# Altium PCB link_b.PcbDoc
Units mil, origin at the board's own origin, x right, y up, seen from the top; angles counter-clockwise.
Board outline 2400 x 1350 mil, 2 copper layers (Top Layer, Bottom Layer); 84 components, 62 nets, 340 pads, 134 vias.
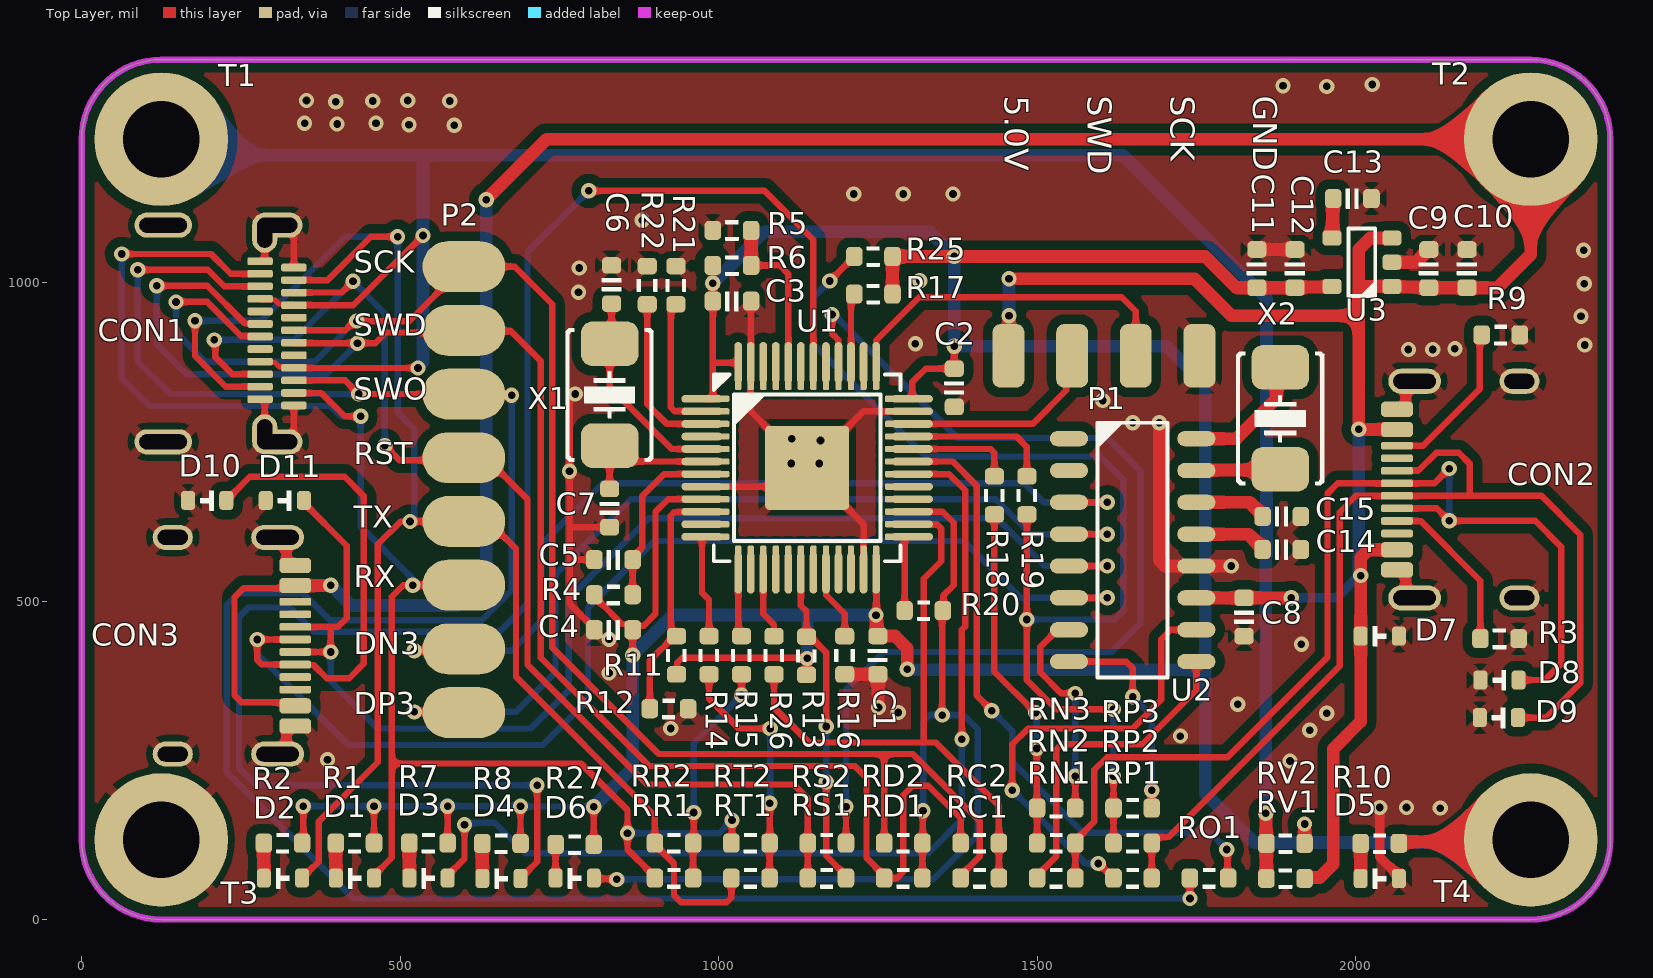
[diagram p0: Top Layer view]
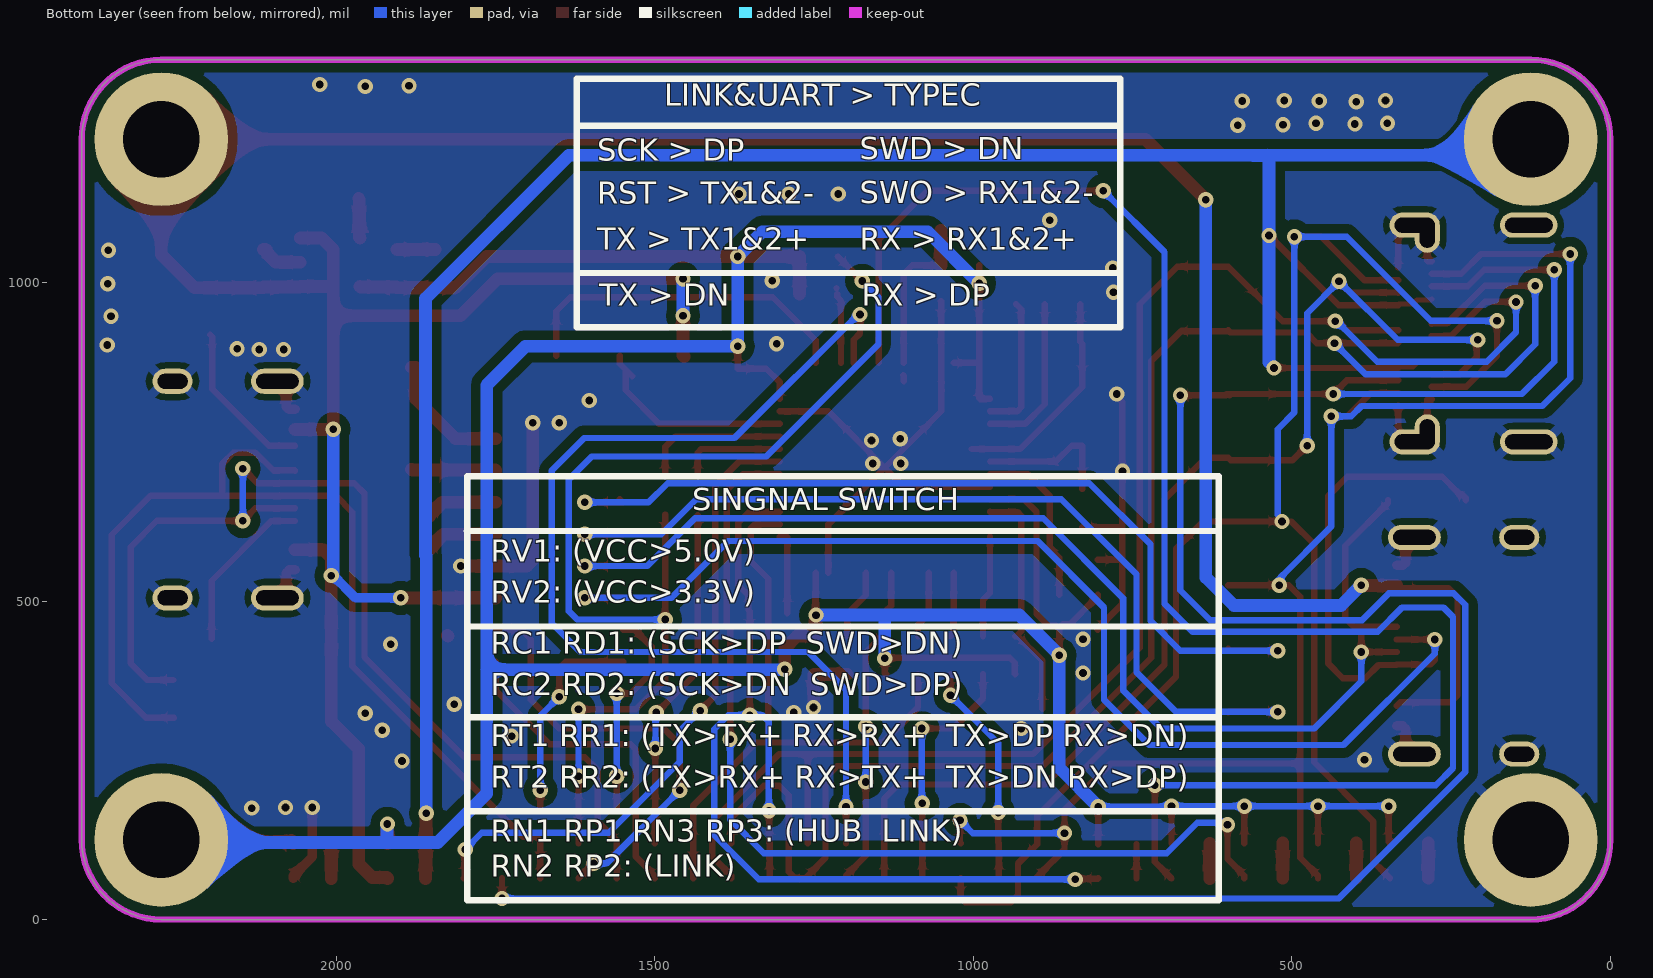
[diagram p1: Bottom Layer view, seen from below]
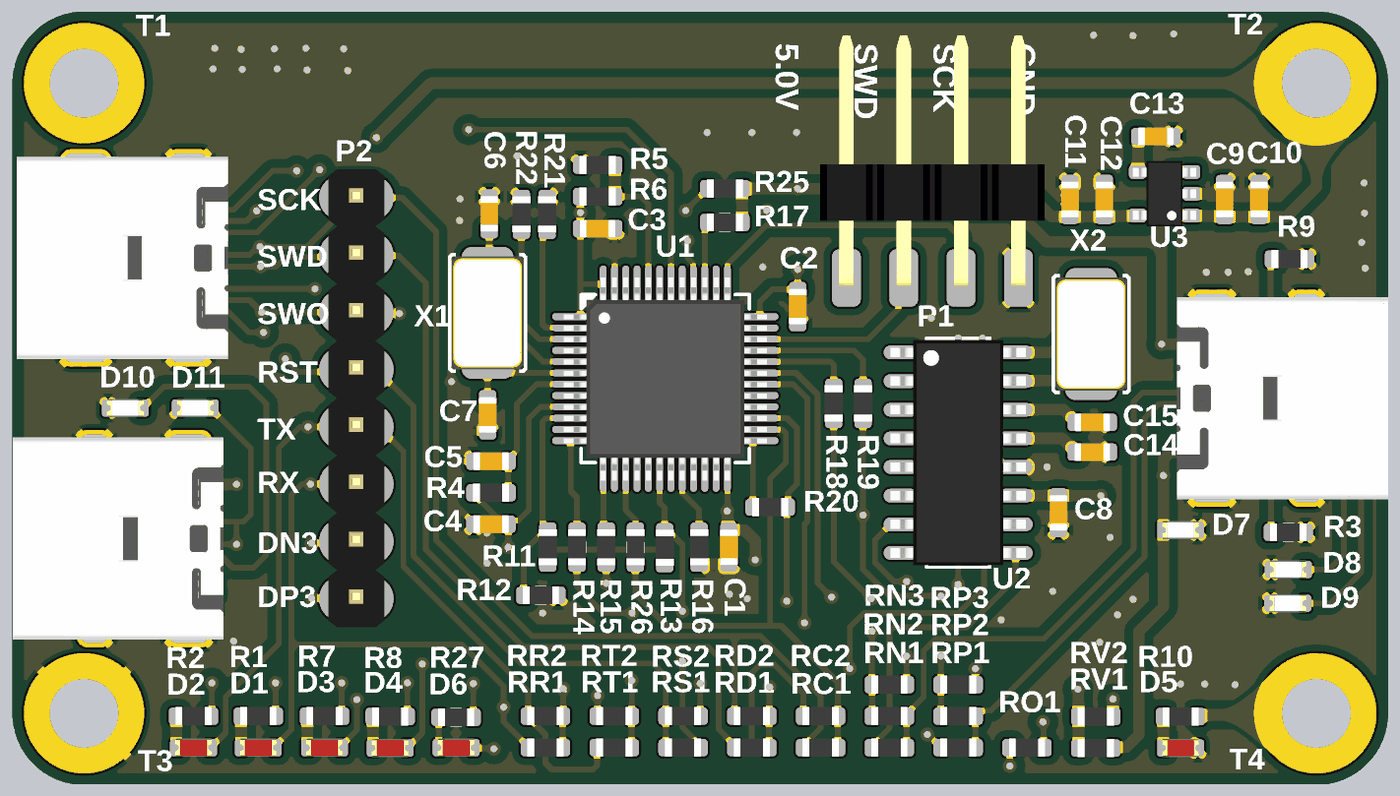
[diagram p2: 3D render of the assembled board from above, using the file's embedded part models]

## Layer stack, top to bottom
Top Solder: solder mask 0.4, Solder Resist, Dk 3.5
Top Layer: signal copper 1.4
Dielectric 1: dielectric 12.6, FR-4, Dk 4.8
Bottom Layer: signal copper 1.4
Bottom Solder: solder mask 0.4, Solder Resist, Dk 3.5

## Board outline
0,125 ccw(c125,125) 125,0 2275,0 ccw(c2275,125) 2400,125 2400,1225 ccw(c2275,1225) 2275,1350 125,1350 ccw(c125,1225) 0,1225

## Design rules (kind name [scope] priority, off if disabled: settings)
Clearance [All] p1: gap=8 ignorepadtopadclearanceinfootprint=TRUE except(15: Arc-Poly Track-Poly SMDPad-Poly THPad-Poly Via-Poly Fill-Poly Poly-Poly)
PlaneClearance [All] p1: clearance=8
PlaneConnect [All] p1: planeconnectstyle=Direct reliefexpansion=20 reliefentries=4 reliefconductorwidth=10 reliefairgap=10
PolygonConnect [All] p1: thpad.connectstyle=Relief thpad.reliefconductorwidth=15 thpad.reliefentries=4 thpad.polygonreliefangle="45 Angle" thpad.airgapwidth=10 smdpad.connectstyle=Relief smdpad.reliefconductorwidth=15 smdpad.reliefentries=4 smdpad.polygonreliefangle="45 Angle" smdpad.airgapwidth=10 via.connectstyle=Direct via.reliefconductorwidth=10 via.reliefentries=4 via.polygonreliefangle="90 Angle" via.airgapwidth=10
RoutingVias [All] p1: holewidth=12 width=24 viastyle="Through Hole" minholewidth=12 minwidth=24 maxholewidth=12 maxwidth=24
SolderMaskExpansion [All] p1: expansion=4 istentingtop=FALSE
Width [All] p1: maxlimit=100 minlimit=6 preferedwidth=20
28 further rules are at their usual default settings.

## Components (designator, comment, footprint, x,y, rotation, side; value= is the part's Value field where it differs from the comment)
C1 "C0603" CAP_0603 1250,415 r270 top value=104
C2 "C0603" CAP_0603 1370,835 r270 top value=104
C3 "C0603" CAP_0603 1021,971 r180 top value=104
C4 "C0603" CAP_0603 835,455 r0 top value=104
C5 "C0603" CAP_0603 835,565 r0 top value=104
C6 "C0603" CAP_0603 832,997 r270 top value=20P
C7 "C0603" CAP_0603 829,646 r90 top value=20P
C8 "C0603" CAP_0603 1825,475 r90 top value=104
C9 "C0603" CAP_0603 2115,1022 r270 top value=106
C10 "C0603" CAP_0603 2175,1022 r270 top value=104
C11 "C0603" CAP_0603 1845,1022 r270 top value=106
C12 "C0603" CAP_0603 1905,1022 r270 top value=104
C13 "C0603" CAP_0603 1995,1132 r180 top value=2234
C14 "C0603" CAP_0603 1884,581 r0 top value=106
C15 "C0603" CAP_0603 1884,633 r0 top value=106
CON1 "USB Type C" USB_TypeC_SMD_24P 177.21,920.08 r90 top value="Type C"
CON2 "USB Type C" USB_TypeC_SMD_16P 2215,675 r270 top value="Type C"
CON3 "USB Type C" USB_TypeC_SMD_16P 185.32,429.92 r90 top value="Type C"
D1 "D0603" LED_0603_RED 429,65 r0 top value=color?
D2 "D0603" LED_0603_RED 316,65 r0 top value=color?
D3 "D0603" LED_0603_RED 544.5,65 r0 top value=color?
D4 "D0603" LED_0603_RED 659,64.5 r0 top value=color?
D5 "D0603" LED_0603_RED 2038,64.5 r0 top value=color?
D6 "D0603" LED_0603_RED 774,65 r0 top value=color?
D7 "TVS" LED_0603_YELLOW 2038,445 r0 top
D8 "TVS" LED_0603_YELLOW 2226,376 r180 top
D9 "TVS" LED_0603_YELLOW 2225,317 r180 top
D10 "TVS" LED_0603_YELLOW 197,658 r180 top
D11 "TVS" LED_0603_YELLOW 319,658 r180 top
P1 "HDR1x4" HDR1x4_TOP 1455,885 r90 top value=2.54
P2 "HDR1x8" HDR1x8_TOP 600,1025 r0 top value=2.54
R1 "R0603" RES_0603 429,120 r180 top value=10K
R2 "R0603" RES_0603 316,120 r180 top value=10K
R3 "R0603" RES_0603 2226,441 r0 top value=5.1K
R4 "R0603" RES_0603 835,510 r180 top value=10K
R5 "R0603" RES_0603 1021,1082 r0 top value=10K
R6 "R0603" RES_0603 1021,1027 r0 top value=10K
R7 "R0603" RES_0603 544.5,120 r180 top value=10K
R8 "R0603" RES_0603 659,119.5 r180 top value=10K
R9 "R0603" RES_0603 2228,918 r180 top value=5.1K
R10 "R0603" RES_0603 2038,119.5 r180 top value=500R
R11 "R0603" RES_0603 934,415 r270 top value=10K
R12 "R0603" RES_0603 922,331 r180 top value=10K
R13 "R0603" RES_0603 1138,414 r270 top value=10K
R14 "R0603" RES_0603 985,415 r270 top value=10R
R15 "R0603" RES_0603 1036,415 r270 top value=10R
R16 "R0603" RES_0603 1198,415 r270 top value=10K
R17 "R0603" RES_0603 1243,982 r0 top value=10K
R18 "R0603" RES_0603 1433,666 r270 top value=10R
R19 "R0603" RES_0603 1484,666 r270 top value=10R
R20 "R0603" RES_0603 1322,485 r180 top value=100R
R21 "R0603" RES_0603 933,996 r270 top value=10K
R22 "R0603" RES_0603 888,996 r90 top value=10K
R25 "R0603" RES_0603 1243,1041 r0 top value=1.5K
R26 "R0603" RES_0603 1087,415 r270 top value=0R
R27 "R0603" RES_0603 774,118 r180 top value=10K
RC1 "R0603" RES_0603 1410,65 r180 top value=0R
RC2 "R0603" RES_0603 1410,120 r180 top value=0R
RD1 "R0603" RES_0603 1290,65 r180 top value=0R
RD2 "R0603" RES_0603 1290,120 r180 top value=0R
RN1 "R0603" RES_0603 1530,65 r180 top value=0R
RN2 "R0603" RES_0603 1530,120 r180 top value=0R
RN3 "R0603" RES_0603 1530,175 r180 top value=0R
RO1 "R0603" RES_0603 1770,65 r180 top value=0R
RP1 "R0603" RES_0603 1650,65 r180 top value=0R
RP2 "R0603" RES_0603 1650,120 r180 top value=0R
RP3 "R0603" RES_0603 1650,175 r180 top value=0R
RR1 "R0603" RES_0603 930,65 r180 top value=0R
RR2 "R0603" RES_0603 930,120 r180 top value=0R
RS1 "R0603" RES_0603 1170,65 r180 top value=0R
RS2 "R0603" RES_0603 1170,120 r180 top value=0R
RT1 "R0603" RES_0603 1050,65 r180 top value=0R
RT2 "R0603" RES_0603 1050,120 r180 top value=0R
RV1 "R0603" RES_0603 1890,64.5 r0 top value=0R
RV2 "R0603" RES_0603 1890,119.5 r0 top value=0R
T1 "M3" M3 125,1225 r0 top
T2 "M3" M3 2275,1225 r0 top
T3 "M3" M3 125,125 r0 top
T4 "M3" M3 2275,125 r0 top
U1 "STM32FxxxC" LQFP_QNF_48 1139,709.21 r0 top
U2 "SL2.1A" SOP16 1650,580 r0 top
U3 "RT9193" SOT23-5 2010,1032 r180 top value=3V3
X1 "XTAL5032" XT_5032_2 829,824 r270 top value=8MHz
X2 "XTAL5032" XT_5032_2 1882,787 r90 top value=12MHz

## Footprints (in the part's own frame and the unit in brackets; to place one, negate y for a bottom-side part, rotate by r counter-clockwise, add the part's x,y. Pads: shape width x height; smd on the part's side, far side on the other; paste and mask are expansions set on the pad)
CAP_0603 [mil]
  rrect50% 26x30 smd: 1(-30,0) 2(30,0)
  silkscreen extent -10,-15 10,15, body extent -31,-16 31,16, height 31
HDR1x4_TOP [mil]
  rrect50% 100x50 smd: 1(0,0) 2(0,-100) 3(0,-200) 4(0,-300)
  body extent -15,-346 424,46, height 99
HDR1x8_TOP [mil]
  oval 130x80 smd: 1(0,0) 2(0,-100) 3(0,-200) 4(0,-300) 5(0,-400) 6(0,-500) 7(0,-600) 8(0,-700)
  body extent -49,-750 49,50, height 323
LED_0603_RED [mil]
  rrect50% 22x30 smd: 1(-30,0) 2(30,0)
  silkscreen extent -10,-16 10,16, body extent -32,-16 32,16, height 24
LED_0603_YELLOW [mil]
  rrect50% 22x30 smd: 1(-30,0) 2(30,0)
  silkscreen extent -10,-16 10,16, body extent -32,-16 32,16, height 24
LQFP_QNF_48 [mil]
  oval 65x12 smd: 1(-165,108.27) 2(-165,88.58) 3(-165,68.9) 4(-165,49.21) 5(-165,29.53) 6(-165,9.84) 7(-165,-9.84) 8(-165,-29.53) 9(-165,-49.21) 10(-165,-68.9) 11(-165,-88.58) 12(-165,-108.27) 25(165,-108.27) 26(165,-88.58) 27(165,-68.9) 28(165,-49.21) 29(165,-29.53) 30(165,-9.84) 31(165,9.84) 32(165,29.53) 33(165,49.21) 34(165,68.9) 35(165,88.58) 36(165,108.27)
  rrect50% 28x10 smd: 1(-136,108.27) 2(-136,88.58) 3(-136,68.9) 4(-136,49.21) 5(-136,29.53) 6(-136,9.84) 7(-136,-9.84) 8(-136,-29.53) 9(-136,-49.21) 10(-136,-68.9) 11(-136,-88.58) 12(-136,-108.27) 25(136,-108.27) 26(136,-88.58) 27(136,-68.9) 28(136,-49.21) 29(136,-29.53) 30(136,-9.84) 31(136,9.84) 32(136,29.53) 33(136,49.21) 34(136,68.9) 35(136,88.58) 36(136,108.27)
  rrect50% 10x28 smd: 13(-108.27,-136) 14(-88.58,-136) 15(-68.9,-136) 16(-49.21,-136) 17(-29.53,-136) 18(-9.84,-136) 19(9.84,-136) 20(29.53,-136) 21(49.21,-136) 22(68.9,-136) 23(88.58,-136) 24(108.27,-136) 37(108.27,136) 38(88.58,136) 39(68.9,136) 40(49.21,136) 41(29.53,136) 42(9.84,136) 43(-9.84,136) 44(-29.53,136) 45(-49.21,136) 46(-68.9,136) 47(-88.58,136) 48(-108.27,136)
  oval 12x65 smd: 13(-108.27,-165) 14(-88.58,-165) 15(-68.9,-165) 16(-49.21,-165) 17(-29.53,-165) 18(-9.84,-165) 19(9.84,-165) 20(29.53,-165) 21(49.21,-165) 22(68.9,-165) 23(88.58,-165) 24(108.27,-165) 37(108.27,165) 38(88.58,165) 39(68.9,165) 40(49.21,165) 41(29.53,165) 42(9.84,165) 43(-9.84,165) 44(-29.53,165) 45(-49.21,165) 46(-68.9,165) 47(-88.58,165) 48(-108.27,165)
  rrect10% 132x132 smd: 49(0,0)
  silkscreen extent -147,-147 147,147, body extent -177,-178 177,177, height 61
M3 [mil]
  round 210 hole 120: 1(0,0)
RES_0603 [mil]
  rrect50% 26x30 smd: 1(-30,0) 2(30,0)
  silkscreen extent -10,-16 10,16, body extent -31,-16 31,16, height 18
SOP16 [mil]
  oval 60x24 smd: 1(-100,175) 2(-100,125) 3(-100,75) 4(-100,25) 5(-100,-25) 6(-100,-75) 7(-100,-125) 8(-100,-175) 9(100,-175) 10(100,-125) 11(100,-75) 12(100,-25) 13(100,25) 14(100,75) 15(100,125) 16(100,175)
  silkscreen extent -55,-200 55,200, body extent -118,-197 118,197, height 69
SOT23-5 [mil]
  rrect50% 30x24 smd: 1(-47,38) 2(-47,0) 3(-47,-38) 4(47,-38) 5(47,38)
  silkscreen extent -21,-53 21,53, body extent -55,-57 55,57, height 57
USB_TypeC_SMD_16P [mm]
  oval 1x1.6 hole 0.6 slot 1.2 at 90 deg: 0(-4.32,1.075) 0(4.32,1.075)
  oval 1x2.1 hole 0.6 slot 1.7 at 90 deg: 0(-4.32,-3.105) 0(4.32,-3.105)
  rrect50% 0.61x1.27 smd: A1B12(3.2,-3.81) A4B9(2.4,-3.81) A9B4(-2.4,-3.81) A12B1(-3.2,-3.81)
  rrect50% 0.305x1.27 smd: A5(1.25,-3.81) A6(0.25,-3.81) A7(-0.25,-3.81) A8(-1.25,-3.81) B5(-1.75,-3.81) B6(-0.75,-3.81) B7(0.75,-3.81) B8(1.75,-3.81)
  body extent -4.48,-4.65 4.48,4.7, height 3.21
USB_TypeC_SMD_24P [mil]
  oval 39.37x78.74 hole 23.62 slot 62.99 at 90 deg: 0(-170.08,-129.92) 0(170.08,-129.92)
  oval 39.37x90.55 hole 23.62 slot 74.8 at 90 deg: 0(-170.08,49.21) 0(170.08,49.21)
  oval 62.99x39.37 hole 23.62 slot 47.24 at 0 deg: 0(-158.27,-110.24) 0(158.27,-110.24)
  rrect50% 12x40 smd: A1(103.54,-156) A2(83.86,-156) A3(64.17,-156) A4(44.49,-156) A5(24.8,-156) A6(5.12,-156) A7(-14.57,-156) A8(-34.25,-156) A9(-53.94,-156) A10(-73.62,-156) A11(-93.31,-156) A12(-112.99,-156) B1(-103.15,-102.87) B2(-83.46,-102.87) B3(-63.78,-102.87) B4(-44.09,-102.87) B5(-24.41,-102.87) B6(-4.72,-102.87) B7(14.96,-102.87) B8(34.65,-102.87) B9(54.33,-102.87) B10(74.02,-102.87) B11(93.7,-102.87) B12(113.39,-102.87)
  body extent -176,-199 176,169, height 126
XT_5032_2 [mil]
  rrect50% 70x90 smd: 1(-80,0) 2(80,0)
  silkscreen extent -105,-69 105,69, body extent -98,-63 98,63, height 39

## Part data
C1 C2 C3 C4 C5 C6 C7 C8 C9 C10 C11 C12 C13 C14 C15: library part Cap_0603, "Capacitor", Note=±10%, Specification="X7R, ±10%, 16V", Type=0603
CON1: library part USB_TypeC, "USB"
CON2 CON3: library part USB_TypeC_16P, "USB"
D1 D2 D3 D4 D5 D6: library part LED_0603, "LED", Type=0603
D7 D8 D9 D10 D11: library part "ESD LESD5D5.0CT1G", "静电保护二极管,VRWM=5V.IPP=9.4A"
P1: library part HDR1x4_2.54TOP, "Header Top", Type="DIP 1x4"
P2: library part HDR1x8_2.54TOP, "Header Top", Type="DIP 1x8"
R1 R2 R3 R4 R5 R6 R7 R8 R9 R10 R11 R12 R13 R14 R15 R16 R17 R18 R19 R20 R21 R22 R25 R26 R27 RC1 RC2 RD1 RD2 RN1 RN2 RN3 RO1 RP1 RP2 RP3 RR1 RR2 RS1 RS2 RT1 RT2 RV1 RV2: library part Res_0603, "Resistor", Note=±1%, Specification=±1%, Type=0603
T1 T2 T3 T4: "M3 Nut"
U1: "MCU ST", Manufacturer=STMicroelectronics, Note=CortexM3, Type="LQFP48 P0.5"
U2: "USB HUB"
U3: "Power", Type=SOT23-5
X1 X2: library part XTAL_5032_2P, "Crystal Oscillator", Specification=±10ppm, Type=XTAL5032_2P

## Via types
v1: diameter 24, hole 12, Top Layer to Bottom Layer, tented both sides, 134 vias

## Nets (pads, with @x,y where several pads share a name; then routed paths per layer and width w, separated by ;. In a path a pad name is that pad's centre, name@x,y a point inside that pad or via, vN(x,y) a via of type N, cw(c..) or ccw(c..) an arc to the next point about the centre after c; other vN are vias at no path point)
3.3V: C1.1 C2.1 C3.2 C4.2 C11.2 C12.2 R1.1 R2.1 R4.2 R6.1 R7.1 R8.1 R10.1 R11.2 R13.2 R17.2 R25.2 R27.1 RV2.2 T4.1 U1.1 U1.9 U1.24 U1.36 U1.48 U3.5 | length 6449
  Top Layer w10: R2.1@343,123 R2.1 348,122 v1(348,178) ; R1.1 v1(459,178) ; R7.1 v1(574.5,178) ; R8.1 v1(689,178) ; R27.1 v1(804,177) ; R4.2 805,506.27 810.96,500.31 811.69,500.31 848.08,463.92 859.04,463.92 865,457.96 C4.2@865,455.53 ; v1(865,415) C4.2 C4.2@865,455.53 ; R11.2 935,386 935,403.14 942.86,411 1138,411 v1(1139,410) 1139,387 1137,385 R13.2 ; U1.9@974,660 921,660 901,640 901,480 882.5,461.5 870.96,461.5 C4.2@865,455.53 ; U1.1@974,817.48 990.08,817.48 991,818.4 991,875 ; R6.1 v1(991,999) C3.2 991,875 ; U1.48@1030.73,874.21 991.79,874.21 991,875 ; U1.24@1247.27,544.21 1247.65,543.83 v1@1247.65,478 ; C1.1@1247.65,447.35 C1.1 ; U1.36@1304,817.48 1304,844 1325,865 C2.1 v1(1370,900)
  Top Layer w20: C1.1@1247.65,447.35 v1@1247.65,478 ; C1.1 1277,445 1296,426 v1(1296,392.86) ; R17.2 R25.2 v1(1370,1041) 1764,1041 1813,992 C11.2 C12.2 1906,993 1962,993 U3.5 ; RV2.2 v1(1920,150) ; R10.1@2071,124.5 2068,121.5 R10.1 2070.75,122.25 2272.25,122.25 T4.1
  Bottom Layer w10: v1(348,178) v1(459,178) v1(574.5,178) v1(689,178) 689.5,177.5 803.5,177.5 v1(804,177)
  Bottom Layer w20: v1(804,177) 865,238 v1(865,415) 928,478 1138,478 ; v1(991,999) 1072,1080 1331,1080 v1(1370,1041) v1(1370,900) 1703,900 1764,839 1764,392 ; v1(1139,410) 1139,475 1138,476 1138,478 ; v1(1247,478) 1138,478 ; v1(1296,392.86) 1296.77,392.1 1299.59,392.1 1299.69,392 1764,392 ; v1(1920,150) 1920.77,149.23 1920.77,121.73 1921.5,121 ; T4.1@2275,150 2246,121 1921.5,121 ; 1764,392 1764,198 1841,121 1921.5,121
5.0V: C8.2 C9.2 C10.2 CON2.A4B9 CON2.A9B4 CON3.A4B9 CON3.A9B4 D7.1 P1.1 RV1.2 T2.1 U2.11 U3.1 U3.3 | length 5645
  Top Layer w10: CON3.A9B4 329.76,341 251,341 240,352 240,506 254,520 330.91,520 CON3.A4B9
  Top Layer w20: CON3.A4B9 v1@391,524.41 ; v1(635,1130) 730,1225 T2.1 ; P1.1@1454,884 P1.1 1456,886 v1(1456,948) ; v1(1456,1006) 1747,1006 1805,948 2005,948 ; U2.11 C8.2 v1(1899,505) ; RV1.2 1920,64.85 1921,65.85 1943.85,65.85 1965,87 1965,268 2008,311 2008,374 2008,413 D7.1 v1(2008,540) 2008,568 2020.51,580.51 CON2.A4B9 ; U3.3 2023,1070 2005,1052 2005,993 ; CON2.A9B4 CON2.A9B4 2005.04,769.53 v1(2005,769.57) 2005,948 ; T2.1@2263,1188 2275,1200 2275,1044 2223,992 C10.2 C9.2 2114,993 2058,993 U3.1 2006,994 2005,993 ; 2005,948 2005,993
  Bottom Layer w15: v1(1899,505) 1970,505 2005,540 v1(2008,540)
  Bottom Layer w20: v1(391,525) 423,493 591,493 635,537 v1(635,1130) ; v1(1456,948) v1(1456,1006) ; v1(2005,769.57) 2005,544.08 2008,541.08 v1(2008,540)
BOOT1: R16.1 U1.20 | length 111.4
  Top Layer w10: U1.20@1168.53,544.21 1168.91,543.83 1168.91,509.09 1198,480 R16.1
DN1: RN3.1 U2.7 | length 344.9
  Top Layer w10: U2.7 1532,455 1505,428 1505,388 1538,355 v1(1560,355) ; RN3.1 v1(1560,225)
  Bottom Layer w10: v1(1560,225) v1(1560,355)
DN2: CON3.A7 CON3.B7 D11.1 U2.5 | length 2003
  Top Layer w10: CON3.A7 v1(390.92,420.08) 390.92,457.37 393,459.45 ; CON3.B7 393,459.45 ; D11.1 349,654 416,587 416,473 402.45,459.45 393,459.45 ; U2.5 v1(1610,555)
  Bottom Layer w10: v1(390.92,420.08) 390.92,374.08 465,300 705,300 765,360 765,504.5 890.5,630 1437,630 1512,555 v1(1610,555)
DN3: P2.7 U2.3 | length 1426
  Top Layer w10: v1(522,422) 597,422 P2.7 ; U2.3@1555,660 U2.3 v1(1610,655)
  Bottom Layer w10: v1(522,422) 675,422 722,469 722,589 818,685 1480,685 1510,655 v1(1610,655)
DP1: RP3.1 U2.8 | length 339
  Top Layer w10: U2.8 1640,405 1650,395 v1(1650,350) ; RP3.1 v1(1680,203) v1@1680,204
  Bottom Layer w10: v1@1649,349 v1(1650,350) 1680,320 v1(1680,203)
DP2: CON3.A6 CON3.B6 D10.1 U2.6 | length 2522.4
  Top Layer w10: D10.1 227,661.73 232.96,667.69 236.69,667.69 264,695 413,695 443,665 443,402 420,379 384.66,379 363.95,399.71 336.01,399.71 CON3.B6 282.61,400.39 275.55,407.45 275.55,438.45 274.24,439.76 v1(275.55,439.76) CON3.A6 ; U2.6 v1(1610,505)
  Bottom Layer w10: v1(275.55,439.76) 275.55,417.45 419,274 724,274 795,345 795,490 899.21,594.21 1384.79,594.21 1474,505 v1(1610,505)
DP3: P2.8 U2.4 | length 1477.8
  Top Layer w10: v1(522,326) 599,326 P2.8 ; U2.4 v1(1610,605)
  Bottom Layer w10: v1(522,326) 682,326 744,388 744,542 862,660 1435,660 1490,605 v1(1610,605)
GND: C1.2 C2.2 C3.1 C4.1 C5.1 C6.1 C7.1 C8.1 C9.1 C10.1 C11.1 C12.1 C13.1 C14.2 C15.2 CON1.0 CON1.A1 CON1.A12 CON1.B1 CON1.B12 CON2.0 CON2.A1B12 CON2.A12B1 CON3.0 CON3.A1B12 CON3.A12B1 D5.2 D7.2 D8.2 D9.2 D10.2 D11.2 P1.4 R3.2 R5.1 R9.1 R12.1 R16.2 R21.1 R22.2 T3.1 U1.8 U1.23 U1.35 U1.47 U1.49 U2.12 U3.2 | length 2769.5
  Top Layer w10: CON1.B1 286.45,816.93 287.45,815.93 CON1.0@287.45,761.81 ; CON1.B12 286.45,1033.46 287.45,1034.46 CON1.0@287.45,1078.35 ; CON1.0@307.13,750 318.87,750 333.21,764.34 CON1.A12 ; CON1.0@307.13,1090.16 318.87,1090.16 333.21,1075.82 CON1.A1 ; v1(775,825) 775,821.21 766,812.21 v1(766,704) 766,618 ; C4.1 805,457 766,496 766,564 ; C5.1 767,565 766,564 ; C7.1 768,616 766,618 ; U1.8@974,679.69 U1.49@1109.47,679.69 ; U1.8@1003,679.69 U1.49@1109.47,679.69 ; U1.47@1050.42,845.21 U1.47@1050.42,874.21 ; C3.1 1050.71,970.71 1050.71,874.5 U1.47@1050.42,874.21 ; U1.23@1227.58,544.21 1227.58,620.63 ; U1.23@1227.58,573.21 1227.58,620.63 ; U1.35@1304,797.8 1275,797.8 1227.58,797.8 U1.49 ; 766,564 766,618 ; U1.47@1050.42,874.21 1050.42,797.8 U1.49 ; U1.49@1109.47,679.69 U1.49 ; U1.49 1227.58,620.63
  Top Layer w15: CON3.0@307.57,259.84 310.19,259.84 321.44,271.1 321.44,299.44 325.94,303.94 CON3.A12B1 ; CON3.0@307.57,600 310.19,600 321.44,588.74 321.44,560.41 325.94,555.91 CON3.A1B12 ; v1(2038,176) 2038,98.5 2068,68.5 D5.2 ; CON2.A1B12 2074.38,549.02 2078.88,544.52 2078.88,516.18 2090.14,504.92 CON2.0@2092.76,504.92 ; CON2.A12B1 2074.38,800.98 2078.88,805.48 2078.88,833.82 2090.14,845.08 CON2.0@2092.76,845.08
  Top Layer w20: R16.2 C1.2 1250.5,384.5 1250.5,333.5 v1(1251,333) ; v1(1692,780) 1692,563.89 1700.89,555 v1(1805,555) ; C8.1 C8.1@1826,446 ; C11.1 C12.1 ; U3.2 2095,1032 2110,1047 2110,1051 2111,1052 C9.1
  other v1: 2133,175 2080,176 1897,249 386,251 1725,288 1928,297 925,300 1955,324 1282,325 1815,338 828,387 1915,432 828,440 1114,716 1158,716 1160,752 1115,755 1650,780 1603,815 2083,895 2121,895 2156,896 2360,902 1309,904 2354,947 780,985 2359,998 1316,1003 781,1023 2358,1051 880,1098 1212,1139 1290,1139 1368,1139 585,1247 514,1248 401,1249 350,1250 462,1250 399,1284 457,1285 578,1285 353,1286 512,1286 1955,1308 1886,1309 2026,1311
HUB_DN: RN1.2 U2.9 | length 517.9
  Top Layer w10: RN1.2 1500,69 1530,99 1530,267 1538,275 1665,275 1750,360 U2.9
HUB_DP: RP1.2 U2.10 | length 707.4
  Top Layer w10: v1(1461,203) 1461,275 1486,300 1650,300 1695,345 1695,440 1710,455 U2.10 ; v1(1596,88) 1597,88 RP1.2
  Bottom Layer w10: v1(1461,203) 1576,88 v1(1596,88)
IN_SCK: P1.3 U1.37 | length 550
  Top Layer w10: U1.37@1247.27,874.21 1247.65,874.6 1247.65,909.65 1315,977 1633,977 1655,955 P1.3
IN_SWD: P1.2 U1.34 | length 349.1
  Top Layer w10: U1.34@1304,778.11 1493.11,778.11 1545.86,830.86 P1.2@1545.86,863.34 ; P1.2@1535.57,853.05 P1.2@1545.86,863.34 ; P1.2 P1.2@1555,872.48 ; P1.2@1545.86,863.34 P1.2@1555,872.48 ; P1.2@1545.86,863.34 P1.2@1555,872.48
LED_CON: D4.2 U1.42 | length 2632
  Top Layer w10: D4.2 715,90.5 v1(715,211) ; v1(796,1144) 1072,1144 1148.84,1067.16 U1.42@1148.84,874.21
  Bottom Layer w10: v1(715,211) 274,211 247,238 247,475 262,490 327,490 365,452 656,452 700,496 700,1048 v1(796,1144)
NetC6_2: C6.2 U1.5 X1.1 | length 345.5
  Top Layer w10: C6.2@832,966 832,907 X1.1 829,836 926.26,738.74 974,738.74 U1.5@1003,738.74
NetC7_2: C7.2 U1.6 X1.2 | length 223.3
  Top Layer w10: C7.2 X1.2 845.76,744 870.71,719.06 U1.6@974,719.06
NetC13_2: C13.2 U3.4 | length 62.8
  Top Layer w20: U3.4 1964,1071 1964,1131 C13.2
NetC14_1: C14.1 U2.13 | length 115.1
  Top Layer w20: U2.13 1832,605 1854,583 C14.1
NetC15_1: C15.1 U2.14 | length 114.3
  Top Layer w20: U2.14 1834,655 1854,635 C15.1
NetCON2_A5: CON2.A5 R3.1 | length 260.8
  Top Layer w10: CON2.A5 2102.21,625.79 2196,532 R3.1
NetCON2_B5: CON2.B5 R9.2 | length 253.2
  Top Layer w10: CON2.B5 2105.9,743.9 2195,833 2195,915 R9.2
NetD1_1: D1.1 R1.2 | length 55
  Top Layer w20: D1.1 R1.2
NetD2_1: D2.1 R2.2 | length 55
  Top Layer w20: D2.1 R2.2
NetD3_1: D3.1 R7.2 | length 55
  Top Layer w20: D3.1 R7.2
NetD4_1: D4.1 R8.2 | length 55
  Top Layer w20: D4.1 R8.2
NetD5_1: D5.1 R10.2 | length 55
  Top Layer w20: D5.1 R10.2
NetD6_1: D6.1 R27.2 | length 53
  Top Layer w10: D6.1 R27.2
NetR5_2: R5.2 R6.2 U1.44 | length 268.5
  Top Layer w10: R6.2 1096,1027 1109.47,1013.53 1109.47,874.21 U1.44@1109.74,874.48 ; U1.44@1109.47,845.21 1109.47,854.21 U1.44@1110,854.74
  Top Layer w20: R6.2 R5.2
NetR11_1: R11.1 R12.2 U1.10 | length 378.6
  Top Layer w10: R12.2 892,406.73 930.27,445 R11.1 932.89,445 925,452.89 925,634.07 930.86,639.93 973.62,639.93 U1.10@974,640.32
NetR14_1: R14.1 U1.12 | length 160.5
  Top Layer w10: U1.12@974,600.95 974,513 985,502 R14.1
NetR15_1: R15.1 U1.13 | length 101.4
  Top Layer w10: U1.13@1030.73,544.21 1031.12,543.83 1031.12,449.88 R15.1
NetR17_1: R17.1 U1.39 | length 110.5
  Top Layer w10: U1.39@1207.95,874.26 1207.9,874.21 1207.9,971.63 1214,977.73 R17.1@1214,982 ; R17.1@1214.95,991.05 R17.1@1215,991
NetR18_1: R18.1 U1.32 | length 168.3
  Top Layer w10: U1.32@1304,738.74 1427.14,738.74 1433,732.88 R18.1
NetR19_1: R19.1 U1.33 | length 232.8
  Top Layer w10: U1.33@1304,758.43 1467.57,758.43 1484,742 R19.1
NetR20_2: R20.2 U1.25 | length 131.4
  Top Layer w10: R20.2@1292,481 R20.2 1292,600.02 1292.92,600.95 U1.25@1304,600.95
NetR21_2: R21.2 U1.2 | length 216.9
  Top Layer w10: R21.2 932.89,966 925,958.11 925,804.04 930.86,798.18 973.62,798.18 U1.2@974,797.8
NetR22_1: R22.1 U1.3 | length 255.8
  Top Layer w10: R22.1 888,809 918.89,778.11 U1.3@974,778.11
NetR26_1: R26.1 U1.15 | length 106.2
  Top Layer w10: U1.15@1070.1,544.21 1070.1,479.9 1087,463 R26.1
NetU2_15: U2.15 X2.1 | length 132.8
  Top Layer w20: U2.15 1750.77,705.77 1880.77,705.77 X2.1
NetU2_16: U2.16 X2.2 | length 207.1
  Top Layer w20: U2.16 1813,755 1876,818 1876,866.94 1876.06,867 X2.2
OUT_RST: CON1.A3 CON1.B3 P2.4 RS1.2 RS2.2 | length 1918.9
  Top Layer w10: v1(208,910) 210,908 210,883 236.7,856.3 CON1.B3 CON1.B3@279.44,855.65 ; CON1.A3 333.37,984.41 408.41,984.41 v1(426,1002) ; v1(476,744) 499,721 596,721 P2.4 635,725 700,660 700,400 888,212 1118,212 1140,190 RS2.2 RS1.2
  Bottom Layer w10: v1(208,910) 334,910 v1(426,1002) 476,952 v1(476,744)
OUT_RX: CON1.A11 CON1.B11 D1.2 P2.6 RR1.2 RT2.2 | length 2551.8
  Top Layer w10: v1(63,1045) 203,1045 234.22,1013.78 CON1.B11 ; CON1.A11 376.23,826.77 413,790 v1(438,790) ; D1.2 459,69 487,97 487,245 ; P2.6 505,525 487,507 487,245 ; RR1.2 900,67 895.31,71.69 857,110 v1(857,135.75) 857,172 784,245 487,245 ; RT2.2 1021,121 v1(1021,156)
  Bottom Layer w10: v1(63,1045) 63,850 106.69,806.31 390.69,806.31 407,790 v1(438,790) 438,617 520,535 v1(520,525) ; v1(857,135.75) 1000.75,135.75 v1(1021,156)
OUT_SCK: CON1.A6 CON1.B6 P2.1 RC1.2 RD2.2 | length 2572.9
  Top Layer w8: CON1.B6 CON1.B6@281.77,917.04
  Top Layer w10: v1(148,969.64) 197.08,969.64 250.69,916.04 279.4,916.04 CON1.B6 ; CON1.A6 413.66,925.2 429.39,940.92 429.39,942 v1(431.82,939.57) 514.57,939.57 P2.1 680,1025 739,966 739,427 906,260 1260,260 ; RD2.2 1260,260 ; RC1.2 1380,69 1410,99 1410,154.54 1304.54,260 1260,260
  Bottom Layer w10: v1(148,969.64) 148,922 194.02,875.98 365.81,875.98 429.39,939.57 v1(431.82,939.57)
OUT_SWD: CON1.A7 CON1.B7 P2.2 RC2.2 RD1.2 | length 2584.8
  Top Layer w10: v1(118,995) 197.18,995 256.46,935.72 279.4,935.72 CON1.B7 CON1.B7@280.05,935 ; CON1.A7 333.84,904.88 333.96,905 v1(433,905) 461,905 477.57,921.57 596.57,921.57 P2.2 601.14,923.86 674.14,923.86 721,877 721,411 891,241 1214,241 1232.15,222.85 1232.15,96.85 1260,69 RD1.2 1280,65 1290,75 1290,195 1305,210 1329.09,210 1380,159.09 RC2.2
  Bottom Layer w10: v1(118,995) 118,903 164.7,856.3 384.3,856.3 v1(433,905)
OUT_SWO: CON1.A10 CON1.B10 P2.3 RO1.2 | length 3754.9
  Top Layer w10: v1(88,1020) 198,1020 223.91,994.09 CON1.B10 ; CON1.A10 413.54,846.46 v1(435,825) 596,825 598,823 P2.3 601,824 602,825 604,823 v1(675,823) ; v1(1740,33) RO1.2
  Bottom Layer w10: v1(88,1020) 88,876 139,825 v1(435,825) ; v1(675,823) 675,517 628,470 389.77,470 347.77,512 246,512 228,494 228,231.54 426.54,33 v1(1740,33)
OUT_TX: CON1.A2 CON1.B2 D2.2 P2.5 RR2.2 RT1.2 | length 2799.4
  Top Layer w10: v1(178,940) 178,885 226.39,836.61 CON1.B2 ; CON1.A2 385.94,1003.94 454,1072 v1(496,1072) ; D2.2 372,91 372,154 465,247 465,589 501,625 v1(515.5,625) 639,625 682,582 682,381 900,163 900,118 930,88 930,38 941,27 1013,27 1020,34 RT1.2
  Bottom Layer w10: v1(178,940) 282,940 414,1072 v1(496,1072) 496,796 522,770 522,635.29 515.5,628.79 v1(515.5,625)
RST: C5.2 R4.1 U1.7 | length 269.4
  Top Layer w10: R4.1 865,567.81 873,575.81 873,577 880,584 880,665 914.37,699.37 U1.7@974,699.37
RUN_LED: D3.2 U1.30 | length 1531.4
  Top Layer w10: D3.2 574.5,69 601,95.5 v1(601,149) ; U1.30@1304,699.37 1361.63,699.37 1387,674 1387,460.12 1382,455.12 v1(1382,283)
  Bottom Layer w10: v1(601,149) 603.68,151.68 627.82,151.68 628.14,152 648.5,152 696.25,104.25 1329.25,104.25 1382,157 v1(1382,283)
STM_DN: R18.2 RN2.2 RN3.2 | length 542.8
  Top Layer w10: R18.2@1433,634.5 1433,389 1497,325 v1(1498,325) ; v1(1499.5,268.5) 1499.5,175.5 RN3.2 RN2.2
  Bottom Layer w10: v1(1498,325) 1499,324 1499,269 v1(1499.5,268.5)
STM_DP: R19.2 R25.1 RP2.2 RP3.2 | length 1726.8
  Top Layer w10: v1(1174.59,1002.59) R25.1 ; R19.2 v1(1484,471) 1484,376 1530,330 v1(1620,330) ; RP2.2 RP3.2 v1(1620,225)
  Bottom Layer w10: v1(1174.59,1002.59) 1149,977 1149,903 1325,727 1599,727 1635,691 1635,484 1622,471 v1(1484,471) ; v1(1620,225) v1(1620,330)
STM_RENUMn: U1.38
STM_RST: R13.1 RS1.1 U1.18 | length 512.3
  Top Layer w10: U1.18@1129.16,544.21 1129.16,492.84 1138,484 R13.1 1144.36,444 1169,419.36 v1(1169,303) ; v1(1169,216) 1169,100 1200,69 RS1.1
  Bottom Layer w10: v1(1169,216) v1(1169,303)
STM_RST2: RS2.1 U1.40 | length 1651.3
  Top Layer w10: v1(1178,950) 1178,920 1187.83,910.17 1187.83,874.6 U1.40@1188.21,874.21 ; RS2.1 v1(1200,177)
  Bottom Layer w10: v1(1178,950) 1181,950 1375,756 1611,756 1662,705 1662,465 1617,420 1259.5,420 1200,360.5 v1(1200,177)
STM_RX: R15.2 RR1.1 RR2.1 | length 351.5
  Top Layer w10: RR1.1 RR2.1 961,121 v1(961,168) ; v1(1036,352) R15.2
  Bottom Layer w10: v1(961,168) 961,277 v1(1036,352)
STM_SCK: R26.2 RC1.1 RC2.1 U1.26 | length 978.8
  Top Layer w10: R26.2 1087,333 1142,278 1321,278 ; U1.26@1304,620.63 1304.38,620.25 1343.14,620.25 1349.5,613.89 1349.5,562.5 1322,535 1322,279 1321,278 ; RC1.1 RC2.1 1440,179 1341,278 1321,278
STM_SWD: D6.2 R20.1 RD1.1 RD2.1 U1.27 | length 1526.6
  Top Layer w10: D6.2 805,64 839,64 v1(840,63) ; U1.27@1304,640.32 1351.5,640.32 1369,622.82 1369,525 1353.14,509.14 1353.14,486.14 1351,484 v1(1351,321) ; RD1.1 RD2.1 1320.5,120.5 1320.5,170.5 v1(1321,171) v1@1321.34,170.66
  Bottom Layer w10: v1(840,63) 1337.25,63 1407,132.75 1407,299 1385,321 v1(1351,321) 1331,321 1321,311 v1(1321,171)
STM_SWO: RO1.1 U1.31 | length 1013.5
  Top Layer w10: U1.31@1304,719.06 1367.4,719.06 1405,681.46 1405,352 v1(1429,328) ; v1(1798,110) 1799,109 1799,66 RO1.1
  Bottom Layer w10: v1(1429,328) 1461,296 1461,247.5 1572.5,136 1772,136 v1(1798,110)
STM_TX: R14.2 RT1.1 RT2.1 | length 388.9
  Top Layer w10: R14.2 985,347 1032,300 v1(1081,300) ; RT1.1 RT2.1 1080.5,120.5 v1(1080.5,182.5)
  Bottom Layer w10: v1(1080.5,182.5) 1081,183 v1(1081,300)
USB_DN: CON2.A7 CON2.B7 D8.1 RN1.1 RN2.1 | length 1711.7
  Top Layer w10: RN1.1 RN2.1 1560,124 1590,154 1590,235 1610,255 1799,255 1956,412 1956,669 1971.84,684.84 CON2.A7 2123.84,684.84 v1(2147,708) ; CON2.B7 2127.53,645.47 v1(2147,626) 2282,626 2323,585 2323,402 2297,376 D8.1
  Bottom Layer w10: v1(2147,626) v1(2147,708)
USB_DP: CON2.A6 CON2.B6 D9.1 RP1.1 RP2.1 | length 1660.7
  Top Layer w10: RP1.1 RP2.1 1680,123.73 1685.96,129.69 1706.69,129.69 1975,398 1975,639.69 2000.46,665.16 CON2.A6 2180.84,665.16 ; CON2.B6 2065.68,705.21 2099.21,705.21 2127,733 2162,733 2179,716 2179,667 2180.84,665.16 ; D9.1 2299,317 2353,371 2353,604 2291.84,665.16 2180.84,665.16
VCC_OUT: CON1.A4 CON1.A9 CON1.B4 CON1.B9 RV1.1 RV2.1 T1.1 | length 3635.5
  Top Layer w8: CON1.B4 281.77,874.3 303.53,874.3 310,867.83 331.53,867.83 CON1.A9 ; CON1.B9 281.77,972.72 303.53,972.72 310,966.25 331.53,966.25 CON1.A4
  Top Layer w10: CON1.A9 333.35,866 v1(528,866) ; CON1.A4 426.57,964.57 v1(536,1074)
  Top Layer w20: v1(1859,167) 1859.5,166.5 1859.5,120 RV2.1 RV1.1
  Bottom Layer w20: T1.1@125,1200 539,1200 ; v1(528,866) 528,867.08 536,875.08 v1(536,1074) 536,1197 539,1200 ; v1(1859,167) 1859,571.04 1860,572.04 1860,975 1635,1200 539,1200
pads on no net: CON1.A5 CON1.A8 CON1.B5 CON1.B8 CON2.A8 CON2.B8 CON3.A5 CON3.A8 CON3.B5 CON3.B8 U1.4 U1.11 U1.14 U1.16 U1.17 U1.19 U1.21 U1.22 U1.28 U1.29 U1.41 U1.43 U1.45 U1.46 U2.1 U2.2

## Polygon pours and split planes (outlines as drawn)
GND on Top Layer "GND_L01_P000" (solid, remove dead copper, pour order 0): 0,0 2400,0 2400,1350 -1,1350
GND on Bottom Layer "GND_L02_P001" (solid, remove dead copper, pour order 1): 0,0 2400,0 2400,1350 -1,1350

## Keep-outs
Keep-Out Layer:
  the board outline again, w10

## Silkscreen, mask and mechanical layers (free items; w line width, h text height)
Top Overlay:
  text "GND /  / SCK /  / SWD /  / 5.0V" at 1437,1293 h65 r270
  text "SCK" at 427,1003.67 h60
  text "SWD" at 427,904.67 h60
  text "SWO" at 427,804.67 h60
  text "RST" at 427,702.67 h60
  text "TX" at 427,603 h60
  text "RX" at 427,510 h60
  text "DN3" at 427,404.49 h60
  text "DP3" at 427,310.49 h60
Bottom Overlay:
  lines w10: 614.5,170 1794.5,170 ; 614.5,317.5 1794.5,317.5 ; 614.5,460 1794.5,460 ; 615.5,610 1795.5,610 ; 770,1015 1622,1015 ; 770.5,1246 1622.5,1246 ; 614.5,30 1794.5,30 1794.5,696 614.5,696 614.5,30 ; 769.5,930 1622.5,930 1622.5,1320 769.5,1320 769.5,930
  text "LINK&UART > TYPEC" at 1485.5,1266 h60
  text "SWD > DN" at 1178.5,1181.67 h60
  text "SCK > DP" at 1590.5,1179.67 h60
  text "SWO > RX1&2-" at 1178.5,1113 h60
  text "RST > TX1&2-" at 1590.5,1112 h60
  text "RX > RX1&2+" at 1178.5,1040 h60
  text "TX > TX1&2+" at 1590.5,1040 h60
  text "RX > DP" at 1175.5,952 h60
  text "TX > DN" at 1587.5,952 h60
  text "SINGNAL SWITCH" at 1441.5,630.67 h60
  text "RV1: (VCC>5.0V)" at 1757.5,550.29 h60
  text "RV2: (VCC>3.3V)" at 1757.5,485.29 h60
  text "RC1 RD1: (SCK>DP  SWD>DN)" at 1757.5,405.29 h60
  text "RC2 RD2: (SCK>DN  SWD>DP)" at 1757.5,340.29 h60
  text "RT1 RR1: (TX>TX+ RX>RX+  TX>DP RX>DN)" at 1757.5,260.29 h60
  text "RT2 RR2: (TX>RX+ RX>TX+  TX>DN RX>DP)" at 1757.5,195.29 h60
  text "RN1 RP1 RN3 RP3: (HUB  LINK)" at 1757.5,110.29 h60
  text "RN2 RP2: (LINK)" at 1757.5,55.29 h60
Bottom Solder:
  text "LINKS&UART" at 357,672 h60
  text "USB" at 2356,655.67 h60
  text "HUB" at 148,435.67 h60
  text "LINK-B" at 2372,350 h80
  text "-1.1.0" at 2116,349 h60
  text "fzxhub" at 2155,284 h60
Mechanical 1:
  circle w2: c253.98,1053.94 r7.87
  circle w2: c253.98,786.22 r7.87
  circle w2: c287.88,543.7 r9.73
  circle w2: c287.88,316.14 r9.73
  circle w2: c2112.44,788.78 r9.73
  circle w2: c2112.44,561.22 r9.73
  lines w10: 0,125 ccw(c125,125) 125,0 2275,0 ccw(c2275,125) 2400,125 2400,1225 ccw(c2275,1225) 2275,1350 125,1350 ccw(c125,1225) 0,1225 0,125